# Altium PCB KlusterLab r2.0.PcbDoc (part 12 of 22) (continued)
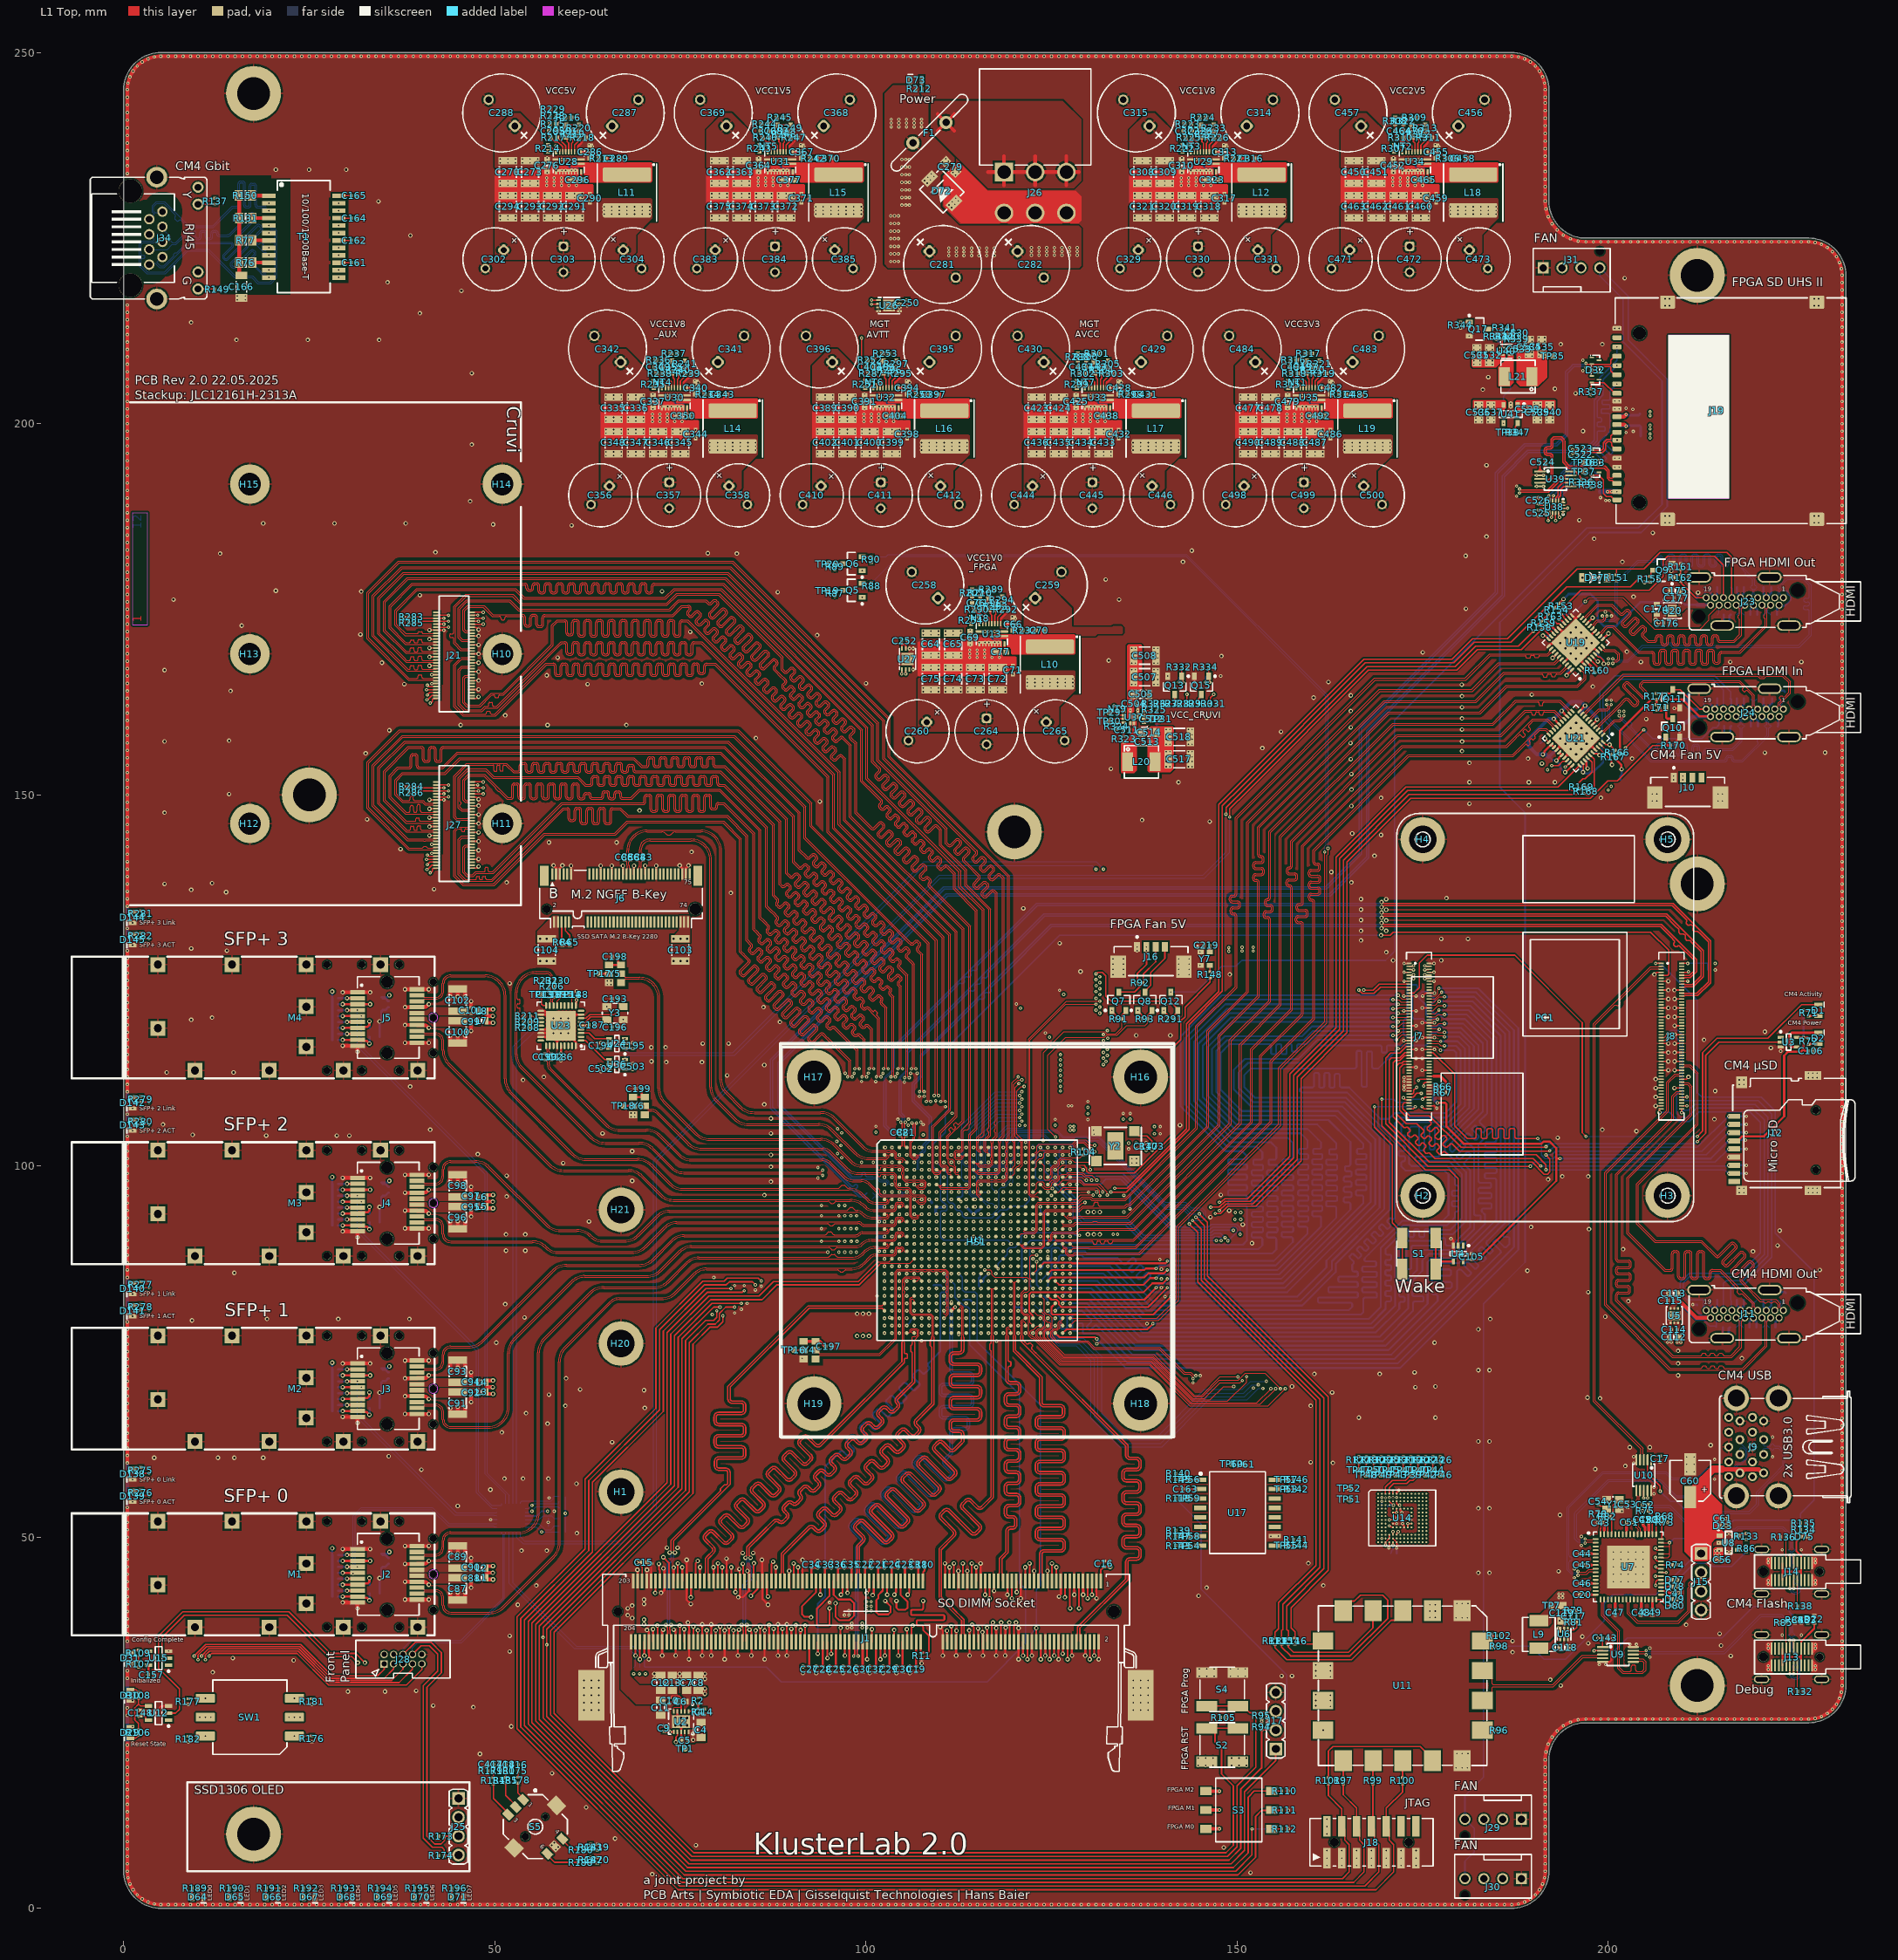
[diagram p0: L1 Top view]
## Nets (pads, with @x,y where several pads share a name; then routed paths per layer and width w, separated by ;. In a path a pad name is that pad's centre, name@x,y a point inside that pad or via, vN(x,y) a via of type N, cw(c..) or ccw(c..) an arc to the next point about the centre after c; other vN are vias at no path point) (continued)
DDR3_DM4: J1.136 U1.AC4 | length 53.8
  L1 Top w0.249: J1.136@88.75,35.9 v2(88.75,37.65)
  L10 Inner9 (Sig) w0.154: v2(88.75,37.65) 88.75,39.1 88.75,39.781 cw(c88.904,39.781) 88.904,39.935 88.941,39.935 ccw(c88.941,40.086) 89.092,40.086 89.092,40.388 ccw(c88.941,40.388) 88.941,40.539 88.713,40.539 cw(c88.713,40.69) 88.562,40.69 88.562,40.992 cw(c88.713,40.992) 88.713,41.143 88.941,41.143 ccw(c88.941,41.294) 89.092,41.294 89.092,41.596 ccw(c88.941,41.596) 88.941,41.747 88.713,41.747 cw(c88.713,41.898) 88.562,41.898 88.562,42.2 cw(c88.713,42.2) 88.713,42.351 88.941,42.351 ccw(c88.941,42.502) 89.092,42.502 89.092,42.804 ccw(c88.941,42.804) 88.941,42.955 88.904,42.955 cw(c88.904,43.109) 88.75,43.109 88.75,44.6 88.75,48.95 104,64.2 104,75.5 104,78.7 104.3,79 104.742,79 105,79.258 105,79.7 105.443,80.143 105.443,80.443 v1(105.5,80.5)
DDR3_DM5: J1.153 U1.AF2 | length 52.5
  L1 Top w0.249: v2(83.4,46.4) 83.467,46.333 83.467,45.919 83.469,45.917 83.469,45.106 83.6,44.976 83.6,44.151 J1.153@83.65,44.1
  L3 Inner2 (Sig) w0.154: v2(83.4,46.4) 82.8,47 82.8,48.3 87.792,53.292 88.274,53.774 cw(c88.383,53.665) 88.491,53.774 88.495,53.77 ccw(c88.601,53.877) 88.708,53.77 88.922,53.984 ccw(c88.815,54.091) 88.922,54.198 88.824,54.295 cw(c88.931,54.402) 88.824,54.509 89.038,54.722 cw(c89.145,54.615) 89.251,54.722 89.349,54.625 ccw(c89.456,54.731) 89.562,54.625 89.776,54.838 ccw(c89.669,54.945) 89.776,55.052 89.678,55.149 cw(c89.785,55.256) 89.678,55.363 89.892,55.576 cw(c89.999,55.47) 90.106,55.576 90.203,55.479 ccw(c90.31,55.586) 90.417,55.479 90.63,55.692 ccw(c90.523,55.799) 90.63,55.906 90.533,56.004 cw(c90.639,56.11) 90.533,56.217 90.746,56.431 cw(c90.853,56.324) 90.96,56.431 91.057,56.333 ccw(c91.164,56.44) 91.271,56.333 91.484,56.547 ccw(c91.378,56.653) 91.484,56.76 91.387,56.858 cw(c91.494,56.965) 91.387,57.071 91.6,57.285 cw(c91.707,57.178) 91.814,57.285 91.912,57.187 ccw(c92.018,57.294) 92.125,57.187 92.339,57.401 ccw(c92.232,57.508) 92.339,57.615 92.241,57.712 cw(c92.348,57.819) 92.241,57.926 92.455,58.139 cw(c92.562,58.032) 92.668,58.139 92.766,58.042 ccw(c92.873,58.148) 92.979,58.042 93.193,58.255 ccw(c93.086,58.362) 93.193,58.469 93.095,58.566 cw(c93.202,58.673) 93.095,58.78 93.309,58.993 cw(c93.416,58.887) 93.523,58.993 93.62,58.896 ccw(c93.727,59.003) 93.834,58.896 94.047,59.109 ccw(c93.94,59.216) 94.047,59.323 93.95,59.421 cw(c94.056,59.527) 93.95,59.634 94.163,59.848 cw(c94.27,59.741) 94.377,59.848 94.474,59.75 ccw(c94.581,59.857) 94.688,59.75 94.901,59.964 ccw(c94.795,60.07) 94.901,60.177 94.804,60.275 cw(c94.911,60.382) 94.804,60.488 95.017,60.702 cw(c95.124,60.595) 95.231,60.702 95.329,60.604 ccw(c95.435,60.711) 95.542,60.604 95.756,60.818 ccw(c95.649,60.925) 95.756,61.031 95.658,61.129 cw(c95.765,61.236) 95.658,61.343 95.872,61.556 cw(c95.978,61.449) 96.085,61.556 96.183,61.459 ccw(c96.29,61.565) 96.396,61.459 96.61,61.672 ccw(c96.503,61.779) 96.61,61.886 96.512,61.983 cw(c96.619,62.09) 96.512,62.197 96.726,62.41 cw(c96.833,62.304) 96.94,62.41 97.037,62.313 ccw(c97.144,62.42) 97.251,62.313 97.464,62.526 ccw(c97.357,62.633) 97.464,62.74 97.367,62.838 cw(c97.473,62.944) 97.367,63.051 97.58,63.265 cw(c97.687,63.158) 97.794,63.265 97.891,63.167 ccw(c97.998,63.274) 98.105,63.167 98.318,63.381 ccw(c98.212,63.487) 98.318,63.594 98.221,63.692 cw(c98.328,63.799) 98.221,63.905 98.434,64.119 cw(c98.541,64.012) 98.648,64.119 98.746,64.021 ccw(c98.852,64.128) 98.959,64.021 99.173,64.235 ccw(c99.066,64.342) 99.173,64.448 99.075,64.546 cw(c99.182,64.653) 99.075,64.76 99.289,64.973 cw(c99.395,64.866) 99.502,64.973 99.6,64.876 ccw(c99.707,64.982) 99.813,64.876 100.027,65.089 ccw(c99.92,65.196) 100.027,65.303 99.929,65.4 cw(c100.036,65.507) 99.929,65.614 100.143,65.827 cw(c100.25,65.721) 100.356,65.827 100.454,65.73 ccw(c100.561,65.837) 100.668,65.73 100.881,65.943 ccw(c100.774,66.05) 100.881,66.157 100.784,66.255 cw(c100.89,66.361) 100.784,66.468 100.997,66.682 cw(c101.104,66.575) 101.211,66.682 101.274,66.619 ccw(c101.381,66.725) 101.487,66.619 101.701,66.832 ccw(c101.594,66.939) 101.701,67.046 101.638,67.109 cw(c101.745,67.216) 101.638,67.322 101.851,67.536 cw(c101.958,67.429) 102.065,67.536 102.159,67.442 ccw(c102.266,67.548) 102.373,67.442 102.587,67.655 ccw(c102.48,67.762) 102.587,67.869 cw(c102.695,67.978) 102.586,68.086 103.1,68.6 103.5,69 103.5,76.6 v1(103.5,77.5)
DDR3_DM6: J1.170 U1.U7 | length 75.3
  L1 Top w0.249: J1.170@78.55,35.9 78.55,37.35 v2@78.6,37.4
  L10 Inner9 (Sig) w0.154: v2@78.55,37.4 v2(78.55,37.45) 78.55,38.639 78.55,38.716 ccw(c78.396,38.716) 78.396,38.87 78.201,38.87 cw(c78.201,39.021) 78.05,39.021 78.05,39.323 cw(c78.201,39.323) 78.201,39.474 78.899,39.474 ccw(c78.899,39.625) 79.05,39.625 79.05,39.927 ccw(c78.899,39.927) 78.899,40.078 78.201,40.078 cw(c78.201,40.229) 78.05,40.229 78.05,40.531 cw(c78.201,40.531) 78.201,40.682 78.899,40.682 ccw(c78.899,40.833) 79.05,40.833 79.05,41.135 ccw(c78.899,41.135) 78.899,41.286 78.297,41.286 cw(c78.297,41.437) 78.146,41.437 78.146,41.739 cw(c78.297,41.739) 78.297,41.89 78.704,41.89 ccw(c78.704,42.041) 78.855,42.041 78.855,42.343 ccw(c78.704,42.343) 78.704,42.494 cw(c78.704,42.648) 78.55,42.648 78.55,44 78.55,46.85 79,47.3 79,70.2 94.8,86 108,86 v1(108.5,86.5)
DDR3_DM7: J1.187 U1.Y1 | length 70.3
  L1 Top w0.249: v2(72.7,47.3) 73.45,46.55 J1.187@73.45,44.1
  L3 Inner2 (Sig) w0.154: v2(72.7,47.3) 72.68,47.32 72.68,58.18 72.95,58.45 73.004,58.504 ccw(c72.896,58.613) 73.004,58.722 72.972,58.755 cw(c73.078,58.862) 72.972,58.969 73.185,59.182 cw(c73.292,59.076) 73.399,59.182 73.837,58.744 ccw(c73.944,58.851) 74.051,58.744 74.264,58.957 ccw(c74.158,59.064) 74.264,59.171 73.826,59.609 cw(c73.933,59.716) 73.826,59.823 74.039,60.037 cw(c74.146,59.93) 74.253,60.037 74.692,59.598 ccw(c74.798,59.705) 74.905,59.598 75.119,59.812 ccw(c75.012,59.918) 75.119,60.025 74.68,60.464 cw(c74.787,60.57) 74.68,60.677 74.894,60.891 cw(c75,60.784) 75.107,60.891 75.546,60.452 ccw(c75.653,60.559) 75.759,60.452 75.973,60.666 ccw(c75.866,60.773) 75.973,60.879 75.534,61.318 cw(c75.641,61.425) 75.534,61.532 75.748,61.745 cw(c75.855,61.638) 75.961,61.745 76.4,61.306 ccw(c76.507,61.413) 76.614,61.306 76.827,61.52 ccw(c76.72,61.627) 76.827,61.734 76.389,62.172 cw(c76.495,62.279) 76.389,62.386 76.602,62.599 cw(c76.709,62.493) 76.816,62.599 77.254,62.161 ccw(c77.361,62.268) 77.468,62.161 77.681,62.374 ccw(c77.575,62.481) 77.681,62.588 77.243,63.026 cw(c77.35,63.133) 77.243,63.24 77.456,63.454 cw(c77.563,63.347) 77.67,63.454 78.109,63.015 ccw(c78.215,63.122) 78.322,63.015 78.536,63.229 ccw(c78.429,63.335) 78.536,63.442 78.097,63.881 cw(c78.204,63.987) 78.097,64.094 78.311,64.308 cw(c78.417,64.201) 78.524,64.308 78.963,63.869 ccw(c79.07,63.976) 79.176,63.869 79.39,64.083 ccw(c79.283,64.19) 79.39,64.296 78.951,64.735 cw(c79.058,64.842) 78.951,64.949 79.165,65.162 cw(c79.272,65.055) 79.378,65.162 79.817,64.723 ccw(c79.924,64.83) 80.031,64.723 80.244,64.937 ccw(c80.137,65.044) 80.244,65.151 79.806,65.589 cw(c79.912,65.696) 79.806,65.803 80.019,66.016 cw(c80.126,65.91) 80.233,66.016 80.671,65.578 ccw(c80.778,65.684) 80.885,65.578 81.098,65.791 ccw(c80.992,65.898) 81.098,66.005 80.911,66.193 cw(c81.019,66.302) 80.911,66.411 81.375,66.875 81.5,67 81.5,69.5 95.5,83.5 v1(102.5,83.5)
DDR3_DQS0_N: J1.10 U1.AE20 | length 71.1
  L1 Top w0.1: 121.158,77.142 121.1,77.2 121.1,79.041 121.159,79.1 121.266,79.1 121.5,78.866 U1.AE20@121.5,78.5
  L1 Top w0.189: 121.158,77.142 121.158,76.542 121.338,76.362 121.404,76.296 121.635,76.065 ccw(c121.768,76.199) 121.901,76.065 121.957,76.121 cw(c122.069,76.008) 122.182,76.121 122.408,75.895 cw(c122.295,75.782) 122.408,75.669 122.353,75.614 ccw(c122.486,75.481) 122.353,75.347 122.804,74.896 122.871,74.829 135.292,62.408 135.292,62.075 135.292,61.055 ccw(c135.59,61.055) 135.59,60.758 136.455,60.758 cw(c136.455,60.145) 137.067,60.145 137.067,59.551 cw(c136.455,59.551) 136.455,58.938 135.09,58.938 ccw(c135.09,58.641) 134.792,58.641 134.792,58.047 ccw(c135.09,58.047) 135.09,57.75 136.455,57.75 cw(c136.455,57.137) 137.067,57.137 137.067,56.543 cw(c136.455,56.543) 136.455,55.93 135.09,55.93 ccw(c135.09,55.633) 134.792,55.633 134.792,55.039 ccw(c135.09,55.039) 135.09,54.742 136.455,54.742 cw(c136.455,54.129) 137.067,54.129 137.067,53.535 cw(c136.455,53.535) 136.455,52.922 135.09,52.922 ccw(c135.09,52.625) 134.792,52.625 134.792,52.031 ccw(c135.09,52.031) 135.09,51.734 136.455,51.734 cw(c136.455,51.121) 137.067,51.121 137.067,50.527 cw(c136.455,50.527) 136.455,49.914 135.09,49.914 ccw(c135.09,49.617) 134.792,49.617 134.792,49.023 ccw(c135.09,49.023) 135.09,48.726 136.455,48.726 cw(c136.455,48.113) 137.067,48.113 137.067,47.519 cw(c136.455,47.519) 136.455,46.906 135.59,46.906 ccw(c135.59,46.609) 135.292,46.609 135.292,44.853 135.292,44.246 128.808,37.762 128.808,37.017 128.869,36.956 128.869,35.981 J1.10@128.95,35.9
DDR3_DQS0_P: J1.12 U1.AD20 | length 70.6
  L1 Top w0.1: 120.842,77.142 120.9,77.2 120.9,78.814 ; 120.9,78.666 120.9,79.124 121.076,79.3 121.241,79.3 121.441,79.5 U1.AD20@121.5,79.5
  L1 Top w0.189: 120.842,77.142 120.842,76.412 121.379,75.874 134.977,62.277 134.977,62.075 134.977,61.055 ccw(c135.59,61.055) 135.59,60.442 136.455,60.442 cw(c136.455,60.145) 136.752,60.145 136.752,59.551 cw(c136.455,59.551) 136.455,59.254 135.09,59.254 ccw(c135.09,58.641) 134.477,58.641 134.477,58.047 ccw(c135.09,58.047) 135.09,57.434 136.455,57.434 cw(c136.455,57.137) 136.752,57.137 136.752,56.543 cw(c136.455,56.543) 136.455,56.246 135.09,56.246 ccw(c135.09,55.633) 134.477,55.633 134.477,55.039 ccw(c135.09,55.039) 135.09,54.426 136.455,54.426 cw(c136.455,54.129) 136.752,54.129 136.752,53.535 cw(c136.455,53.535) 136.455,53.238 135.09,53.238 ccw(c135.09,52.625) 134.477,52.625 134.477,52.031 ccw(c135.09,52.031) 135.09,51.418 136.455,51.418 cw(c136.455,51.121) 136.752,51.121 136.752,50.527 cw(c136.455,50.527) 136.455,50.23 135.09,50.23 ccw(c135.09,49.617) 134.477,49.617 134.477,49.023 ccw(c135.09,49.023) 135.09,48.41 136.455,48.41 cw(c136.455,48.113) 136.752,48.113 136.752,47.519 cw(c136.455,47.519) 136.455,47.222 135.59,47.222 ccw(c135.59,46.609) 134.977,46.609 134.977,44.853 134.977,44.377 128.492,37.892 128.492,37.017 128.431,36.956 128.431,35.981 J1.12@128.35,35.9
DDR3_DQS1_N: J1.27 U1.W19 | length 89.9
  L1 Top w0.1: 120.158,77.142 120.1,77.2 120.1,84.365 120.159,84.423 120.423,84.423 U1.W19@120.5,84.5
  L1 Top w0.189: 120.158,77.142 120.158,75.188 120.623,74.723 123.708,71.638 ; 122.173,73.173 123.708,71.638 ; J1.27@123.85,44.1 123.769,44.181 123.769,45.156 123.708,45.217 123.708,45.949 123.708,47.705 cw(c124.005,47.705) 124.005,48.002 126.251,48.002 ccw(c126.251,48.615) 126.864,48.615 126.864,49.209 ccw(c126.251,49.209) 126.251,49.821 123.428,49.821 cw(c123.428,50.119) 123.131,50.119 123.131,50.713 cw(c123.428,50.713) 123.428,51.01 126.251,51.01 ccw(c126.251,51.623) 126.864,51.623 126.864,52.217 ccw(c126.251,52.217) 126.251,52.829 123.428,52.829 cw(c123.428,53.127) 123.131,53.127 123.131,53.721 cw(c123.428,53.721) 123.428,54.018 126.251,54.018 ccw(c126.251,54.631) 126.864,54.631 126.864,55.225 ccw(c126.251,55.225) 126.251,55.837 123.428,55.837 cw(c123.428,56.135) 123.131,56.135 123.131,56.729 cw(c123.428,56.729) 123.428,57.026 126.251,57.026 ccw(c126.251,57.639) 126.864,57.639 126.864,58.233 ccw(c126.251,58.233) 126.251,58.845 123.428,58.845 cw(c123.428,59.143) 123.131,59.143 123.131,59.737 cw(c123.428,59.737) 123.428,60.034 126.251,60.034 ccw(c126.251,60.647) 126.864,60.647 126.864,61.241 ccw(c126.251,61.241) 126.251,61.853 123.428,61.853 cw(c123.428,62.151) 123.131,62.151 123.131,62.745 cw(c123.428,62.745) 123.428,63.042 126.251,63.042 ccw(c126.251,63.655) 126.864,63.655 126.864,64.249 ccw(c126.251,64.249) 126.251,64.861 123.428,64.861 cw(c123.428,65.159) 123.131,65.159 123.131,65.753 cw(c123.428,65.753) 123.428,66.05 126.163,66.05 ccw(c126.163,66.663) 126.776,66.663 126.776,67.257 ccw(c126.163,67.257) 126.163,67.869 124.005,67.869 cw(c124.005,68.167) 123.708,68.167 123.708,69.8 123.708,71.638
DDR3_DQS1_P: J1.29 U1.W18 | length 87.7
  L1 Top w0.1: U1.W18@119.5,84.5 119.577,84.423 119.709,84.423 119.9,84.232 119.9,77.2 119.842,77.142
  L1 Top w0.189: 119.842,77.142 119.842,75.058 123.392,71.508 123.392,69.8 123.392,68.167 ccw(c124.005,68.167) 124.005,67.554 126.163,67.554 cw(c126.163,67.257) 126.46,67.257 126.46,66.663 cw(c126.163,66.663) 126.163,66.365 123.428,66.365 ccw(c123.428,65.753) 122.815,65.753 122.815,65.159 ccw(c123.428,65.159) 123.428,64.546 126.251,64.546 cw(c126.251,64.249) 126.548,64.249 126.548,63.655 cw(c126.251,63.655) 126.251,63.357 123.428,63.357 ccw(c123.428,62.745) 122.815,62.745 122.815,62.151 ccw(c123.428,62.151) 123.428,61.538 126.251,61.538 cw(c126.251,61.241) 126.548,61.241 126.548,60.647 cw(c126.251,60.647) 126.251,60.349 123.428,60.349 ccw(c123.428,59.737) 122.815,59.737 122.815,59.143 ccw(c123.428,59.143) 123.428,58.53 126.251,58.53 cw(c126.251,58.233) 126.548,58.233 126.548,57.639 cw(c126.251,57.639) 126.251,57.341 123.428,57.341 ccw(c123.428,56.729) 122.815,56.729 122.815,56.135 ccw(c123.428,56.135) 123.428,55.522 126.251,55.522 cw(c126.251,55.225) 126.548,55.225 126.548,54.631 cw(c126.251,54.631) 126.251,54.333 123.428,54.333 ccw(c123.428,53.721) 122.815,53.721 122.815,53.127 ccw(c123.428,53.127) 123.428,52.514 126.251,52.514 cw(c126.251,52.217) 126.548,52.217 126.548,51.623 cw(c126.251,51.623) 126.251,51.325 123.428,51.325 ccw(c123.428,50.713) 122.815,50.713 122.815,50.119 ccw(c123.428,50.119) 123.428,49.506 126.251,49.506 cw(c126.251,49.209) 126.548,49.209 126.548,48.615 cw(c126.251,48.615) 126.251,48.317 124.005,48.317 ccw(c124.005,47.705) 123.392,47.705 123.392,45.949 123.392,45.217 123.331,45.156 123.331,44.181 J1.29@123.25,44.1
DDR3_DQS2_N: J1.45 U1.AF18 | length 55.4
  L1 Top w0.1: 119.158,77.142 119.1,77.2 119.1,78.041 119.159,78.1 119.266,78.1 119.5,77.866 U1.AF18@119.5,77.5
  L1 Top w0.189: J1.45@118.45,44.1 118.369,44.181 118.369,45.156 118.308,45.217 118.308,47.062 119.158,47.912 119.158,49.829 119.158,50.786 cw(c119.455,50.786) 119.455,51.083 119.73,51.083 ccw(c119.73,51.696) 120.342,51.696 120.342,52.29 ccw(c119.73,52.29) 119.73,52.903 119.251,52.903 cw(c119.251,53.2) 118.953,53.2 118.953,53.794 cw(c119.251,53.794) 119.251,54.091 120.238,54.091 ccw(c120.238,54.704) 120.85,54.704 120.85,55.298 ccw(c120.238,55.298) 120.238,55.911 119.251,55.911 cw(c119.251,56.208) 118.953,56.208 118.953,56.802 cw(c119.251,56.802) 119.251,57.099 120.238,57.099 ccw(c120.238,57.712) 120.85,57.712 120.85,58.306 ccw(c120.238,58.306) 120.238,58.919 119.251,58.919 cw(c119.251,59.216) 118.953,59.216 118.953,59.81 cw(c119.251,59.81) 119.251,60.107 120.238,60.107 ccw(c120.238,60.72) 120.85,60.72 120.85,61.314 ccw(c120.238,61.314) 120.238,61.927 119.251,61.927 cw(c119.251,62.224) 118.953,62.224 118.953,62.818 cw(c119.251,62.818) 119.251,63.115 120.238,63.115 ccw(c120.238,63.728) 120.85,63.728 120.85,64.322 ccw(c120.238,64.322) 120.238,64.935 119.251,64.935 cw(c119.251,65.232) 118.953,65.232 118.953,65.826 cw(c119.251,65.826) 119.251,66.123 120.238,66.123 ccw(c120.238,66.736) 120.85,66.736 120.85,67.33 ccw(c120.238,67.33) 120.238,67.943 119.251,67.943 cw(c119.251,68.24) 118.953,68.24 118.953,68.834 cw(c119.251,68.834) 119.251,69.131 120.238,69.131 ccw(c120.238,69.744) 120.85,69.744 120.85,70.338 ccw(c120.238,70.338) 120.238,70.951 119.455,70.951 cw(c119.455,71.248) 119.158,71.248 119.158,71.5 119.158,72.1 119.158,72.833 cw(c119.346,72.833) 119.346,73.021 119.367,73.021 ccw(c119.367,73.181) 119.527,73.181 119.527,73.5 ccw(c119.367,73.5) 119.367,73.66 119.346,73.66 cw(c119.346,73.848) 119.158,73.848 119.158,75.1 119.158,77.142
DDR3_DQS2_P: J1.47 U1.AE18 | length 54.9
  L1 Top w0.1: 118.842,77.142 118.9,77.2 118.9,77.666 118.9,78.124 119.076,78.3 119.241,78.3 119.441,78.5 U1.AE18@119.5,78.5
  L1 Top w0.189: J1.47@117.85,44.1 117.931,44.181 117.931,45.156 117.992,45.217 117.992,47.192 118.842,48.042 118.842,49.829 118.842,50.786 cw(c119.455,50.786) 119.455,51.399 119.73,51.399 ccw(c119.73,51.696) 120.027,51.696 120.027,52.29 ccw(c119.73,52.29) 119.73,52.587 119.251,52.587 cw(c119.251,53.2) 118.638,53.2 118.638,53.794 cw(c119.251,53.794) 119.251,54.407 120.238,54.407 ccw(c120.238,54.704) 120.535,54.704 120.535,55.298 ccw(c120.238,55.298) 120.238,55.595 119.251,55.595 cw(c119.251,56.208) 118.638,56.208 118.638,56.802 cw(c119.251,56.802) 119.251,57.415 120.238,57.415 ccw(c120.238,57.712) 120.535,57.712 120.535,58.306 ccw(c120.238,58.306) 120.238,58.603 119.251,58.603 cw(c119.251,59.216) 118.638,59.216 118.638,59.81 cw(c119.251,59.81) 119.251,60.423 120.238,60.423 ccw(c120.238,60.72) 120.535,60.72 120.535,61.314 ccw(c120.238,61.314) 120.238,61.611 119.251,61.611 cw(c119.251,62.224) 118.638,62.224 118.638,62.818 cw(c119.251,62.818) 119.251,63.431 120.238,63.431 ccw(c120.238,63.728) 120.535,63.728 120.535,64.322 ccw(c120.238,64.322) 120.238,64.619 119.251,64.619 cw(c119.251,65.232) 118.638,65.232 118.638,65.826 cw(c119.251,65.826) 119.251,66.439 120.238,66.439 ccw(c120.238,66.736) 120.535,66.736 120.535,67.33 ccw(c120.238,67.33) 120.238,67.627 119.251,67.627 cw(c119.251,68.24) 118.638,68.24 118.638,68.834 cw(c119.251,68.834) 119.251,69.447 120.238,69.447 ccw(c120.238,69.744) 120.535,69.744 120.535,70.338 ccw(c120.238,70.338) 120.238,70.635 119.455,70.635 cw(c119.455,71.248) 118.842,71.248 118.842,71.5 118.842,77.142
DDR3_DQS3_N: J1.62 U1.Y16 | length 65.4
  L1 Top w0.1: 117.158,77.142 117.1,77.2 117.1,83.441 117.159,83.5 U1.Y16@117.5,83.5
  L1 Top w0.189: J1.62@113.35,35.9 113.269,35.981 113.269,36.956 113.208,37.017 113.208,38.892 112.303,39.797 112.2,39.9 110.156,41.944 110.156,48.31 111.748,49.902 111.926,50.08 ccw(c111.493,50.513) 111.926,50.946 110.244,52.629 cw(c110.454,52.839) 110.244,53.049 110.664,53.469 cw(c110.874,53.259) 111.084,53.469 114.103,50.45 ccw(c114.537,50.883) 114.97,50.45 115.39,50.87 ccw(c114.957,51.304) 115.39,51.737 113.158,53.969 cw(c113.368,54.179) 113.158,54.389 113.578,54.809 cw(c113.788,54.599) 113.998,54.809 114.893,53.914 ccw(c115.327,54.347) 115.76,53.914 117.158,55.312 117.158,55.629 117.158,77.142
DDR3_DQS3_P: J1.64 U1.Y15 | length 65.5
  L1 Top w0.1: U1.Y15@116.5,83.5 116.841,83.5 116.9,83.441 116.9,77.2 116.842,77.142
  L1 Top w0.189: J1.64@112.75,35.9 112.831,35.981 112.831,36.956 112.892,37.017 112.892,38.762 109.84,41.814 109.84,48.44 111.525,50.125 111.703,50.303 ccw(c111.493,50.513) 111.703,50.723 110.021,52.406 cw(c110.454,52.839) 110.021,53.272 110.441,53.692 cw(c110.874,53.259) 111.307,53.692 114.326,50.673 ccw(c114.537,50.883) 114.747,50.673 115.167,51.093 ccw(c114.957,51.304) 115.167,51.514 112.934,53.746 cw(c113.368,54.179) 112.934,54.612 113.355,55.033 cw(c113.788,54.599) 114.221,55.033 115.117,54.137 ccw(c115.327,54.347) 115.537,54.137 116.842,55.442 116.842,55.945 116.842,75.1 116.7,75.242 116.7,76 116.842,76.142 116.842,77.142
DDR3_DQS4_N: J1.135 U1.AB5 | length 70
  L1 Top w0.1: U1.AB5@106.5,81.5 106.5,81.866 106.266,82.1 106.159,82.1 106.1,82.041 106.1,80.3 106.3,80.1 106.334,80.1 108.749,80.1 109.1,79.749 109.1,77 109.158,76.942
  L1 Top w0.189: J1.135@89.05,44.1 88.969,44.181 88.969,45.156 88.908,45.217 88.908,47.662 91.178,49.931 92.419,51.173 cw(c92.629,50.963) 92.839,51.173 93.182,50.83 ccw(c93.615,51.264) 94.049,50.83 94.469,51.251 ccw(c94.036,51.684) 94.469,52.117 93.772,52.813 cw(c93.983,53.023) 93.772,53.233 94.193,53.654 cw(c94.403,53.443) 94.613,53.654 95.309,52.957 ccw(c95.742,53.391) 96.176,52.957 96.596,53.378 ccw(c96.163,53.811) 96.596,54.244 95.899,54.94 cw(c96.11,55.15) 95.899,55.36 96.32,55.781 cw(c96.53,55.57) 96.74,55.781 97.436,55.084 ccw(c97.869,55.517) 98.302,55.084 98.723,55.504 ccw(c98.29,55.938) 98.723,56.371 98.026,57.067 cw(c98.237,57.277) 98.026,57.487 98.447,57.908 cw(c98.657,57.697) 98.867,57.908 99.563,57.211 ccw(c99.996,57.644) 100.429,57.211 100.85,57.631 ccw(c100.416,58.065) 100.85,58.498 100.153,59.194 cw(c100.363,59.404) 100.153,59.614 100.574,60.035 cw(c100.784,59.824) 100.994,60.035 101.69,59.338 ccw(c102.123,59.771) 102.556,59.338 102.977,59.758 ccw(c102.543,60.192) 102.977,60.625 102.28,61.321 cw(c102.49,61.531) 102.28,61.741 102.701,62.161 cw(c102.911,61.951) 103.121,62.161 103.817,61.465 ccw(c104.25,61.898) 104.683,61.465 105.104,61.885 ccw(c104.67,62.319) 105.104,62.752 104.407,63.448 cw(c104.617,63.658) 104.407,63.868 104.828,64.288 cw(c105.038,64.078) 105.248,64.288 105.921,63.615 ccw(c106.354,64.048) 106.787,63.615 107.208,64.035 ccw(c106.774,64.468) 107.208,64.902 106.888,65.221 cw(c107.098,65.432) 106.888,65.642 108.173,66.927 109.158,67.912 109.158,76.941
DDR3_DQS4_P: J1.137 U1.AA5 | length 70.3
  L1 Top w0.1: 105.9,81.883 105.9,81.666 ; U1.AA5@106.5,82.5 106.441,82.5 106.241,82.3 106.076,82.3 105.9,82.124 105.9,81.666 ; 108.9,77 108.9,79.666 108.666,79.9 106.217,79.9 106.159,79.959 105.9,80.217 105.9,81.666
  L1 Top w0.189: J1.137@88.45,44.1 88.531,44.181 88.531,45.156 88.592,45.217 88.592,47.792 90.954,50.154 92.196,51.396 cw(c92.629,50.963) 93.063,51.396 93.405,51.053 ccw(c93.615,51.264) 93.825,51.053 94.246,51.474 ccw(c94.036,51.684) 94.246,51.894 93.549,52.59 cw(c93.983,53.023) 93.549,53.456 93.97,53.877 cw(c94.403,53.443) 94.836,53.877 95.532,53.18 ccw(c95.742,53.391) 95.952,53.18 96.373,53.601 ccw(c96.163,53.811) 96.373,54.021 95.676,54.717 cw(c96.11,55.15) 95.676,55.583 96.097,56.004 cw(c96.53,55.57) 96.963,56.004 97.659,55.307 ccw(c97.869,55.517) 98.079,55.307 98.5,55.728 ccw(c98.29,55.938) 98.5,56.148 97.803,56.844 cw(c98.237,57.277) 97.803,57.71 98.224,58.131 cw(c98.657,57.697) 99.09,58.131 99.786,57.434 ccw(c99.996,57.644) 100.206,57.434 100.627,57.855 ccw(c100.416,58.065) 100.627,58.275 99.93,58.971 cw(c100.363,59.404) 99.93,59.837 100.35,60.258 cw(c100.784,59.824) 101.217,60.258 101.913,59.561 ccw(c102.123,59.771) 102.333,59.561 102.754,59.982 ccw(c102.543,60.192) 102.754,60.402 102.057,61.098 cw(c102.49,61.531) 102.057,61.964 102.477,62.385 cw(c102.911,61.951) 103.344,62.385 104.04,61.688 ccw(c104.25,61.898) 104.46,61.688 104.881,62.108 ccw(c104.67,62.319) 104.881,62.529 104.184,63.225 cw(c104.617,63.658) 104.184,64.091 104.604,64.512 cw(c105.038,64.078) 105.471,64.512 106.144,63.838 ccw(c106.354,64.048) 106.564,63.838 106.985,64.258 ccw(c106.774,64.468) 106.985,64.679 106.665,64.998 cw(c107.098,65.432) 106.665,65.865 107.95,67.15 108.842,68.042 108.842,75.615 108.658,75.8 108.658,76.558 108.856,76.756 108.856,77
DDR3_DQS5_N: J1.152 U1.AF4 | length 69.3
  L1 Top w0.1: U1.AF4@105.5,77.5 105.577,77.577 105.841,77.577 105.9,77.635 105.9,77.883 106.117,78.1 106.883,78.1 107.041,77.941 107.1,77.883 107.1,77.117 106.5,76.517 106.5,76.3 106.558,76.242
  L1 Top w0.189: v2(83.946,38.171) 83.946,38.059 83.754,37.867 83.754,37.588 83.808,37.534 83.808,37.017 83.869,36.956 83.869,35.981 J1.152@83.95,35.9 ; v2(84.454,47.229) 84.454,47.341 84.261,47.533 84.261,48.561 86,50.3 87.73,52.03 cw(c87.94,51.82) 88.151,52.03 ccw(c88.584,52.463) 89.017,52.03 89.437,52.45 ccw(c89.004,52.884) 89.437,53.317 89.115,53.639 cw(c89.326,53.849) 89.115,54.059 89.536,54.479 cw(c89.746,54.269) 89.956,54.479 ccw(c90.389,54.912) 90.822,54.479 91.242,54.899 ccw(c90.809,55.332) 91.242,55.765 cw(c91.452,55.976) 91.242,56.186 91.663,56.606 cw(c91.873,56.396) 92.083,56.606 92.429,56.26 ccw(c92.862,56.693) 93.295,56.26 93.715,56.68 ccw(c93.282,57.113) 93.715,57.546 93.337,57.924 cw(c93.548,58.134) 93.337,58.345 93.758,58.765 cw(c93.968,58.555) 94.178,58.765 94.558,58.385 ccw(c94.991,58.818) 95.424,58.385 95.844,58.805 ccw(c95.411,59.238) 95.844,59.672 95.464,60.051 cw(c95.675,60.261) 95.464,60.472 95.885,60.892 cw(c96.095,60.682) 96.305,60.892 96.685,60.512 ccw(c97.118,60.945) 97.551,60.512 97.971,60.932 ccw(c97.538,61.365) 97.971,61.799 97.591,62.178 cw(c97.802,62.388) 97.591,62.599 98.012,63.019 cw(c98.222,62.809) 98.432,63.019 98.812,62.639 ccw(c99.245,63.072) 99.678,62.639 100.098,63.059 ccw(c99.665,63.492) 100.098,63.926 99.718,64.305 cw(c99.928,64.515) 99.718,64.726 100.139,65.146 cw(c100.349,64.936) 100.559,65.146 100.939,64.766 ccw(c101.372,65.199) 101.805,64.766 102.225,65.186 ccw(c101.792,65.619) 102.225,66.052 101.845,66.432 cw(c102.055,66.642) 101.845,66.852 102.266,67.273 cw(c102.476,67.063) 102.686,67.273 103.066,66.893 ccw(c103.499,67.326) 103.932,66.893 104.352,67.313 ccw(c103.919,67.746) 104.352,68.179 104.326,68.206 cw(c104.536,68.416) 104.326,68.626 104.504,68.804 106.558,70.858 106.558,76.242
  L12 Bottom w0.189: v2(83.946,38.171) 83.946,38.282 83.754,38.474 83.754,43.454 84.833,44.533 84.833,45.783 84.261,46.354 84.261,46.926 84.454,47.118 v2(84.454,47.229)